# Altium PCB Ground_Station_V1.0.PcbDoc (continued)
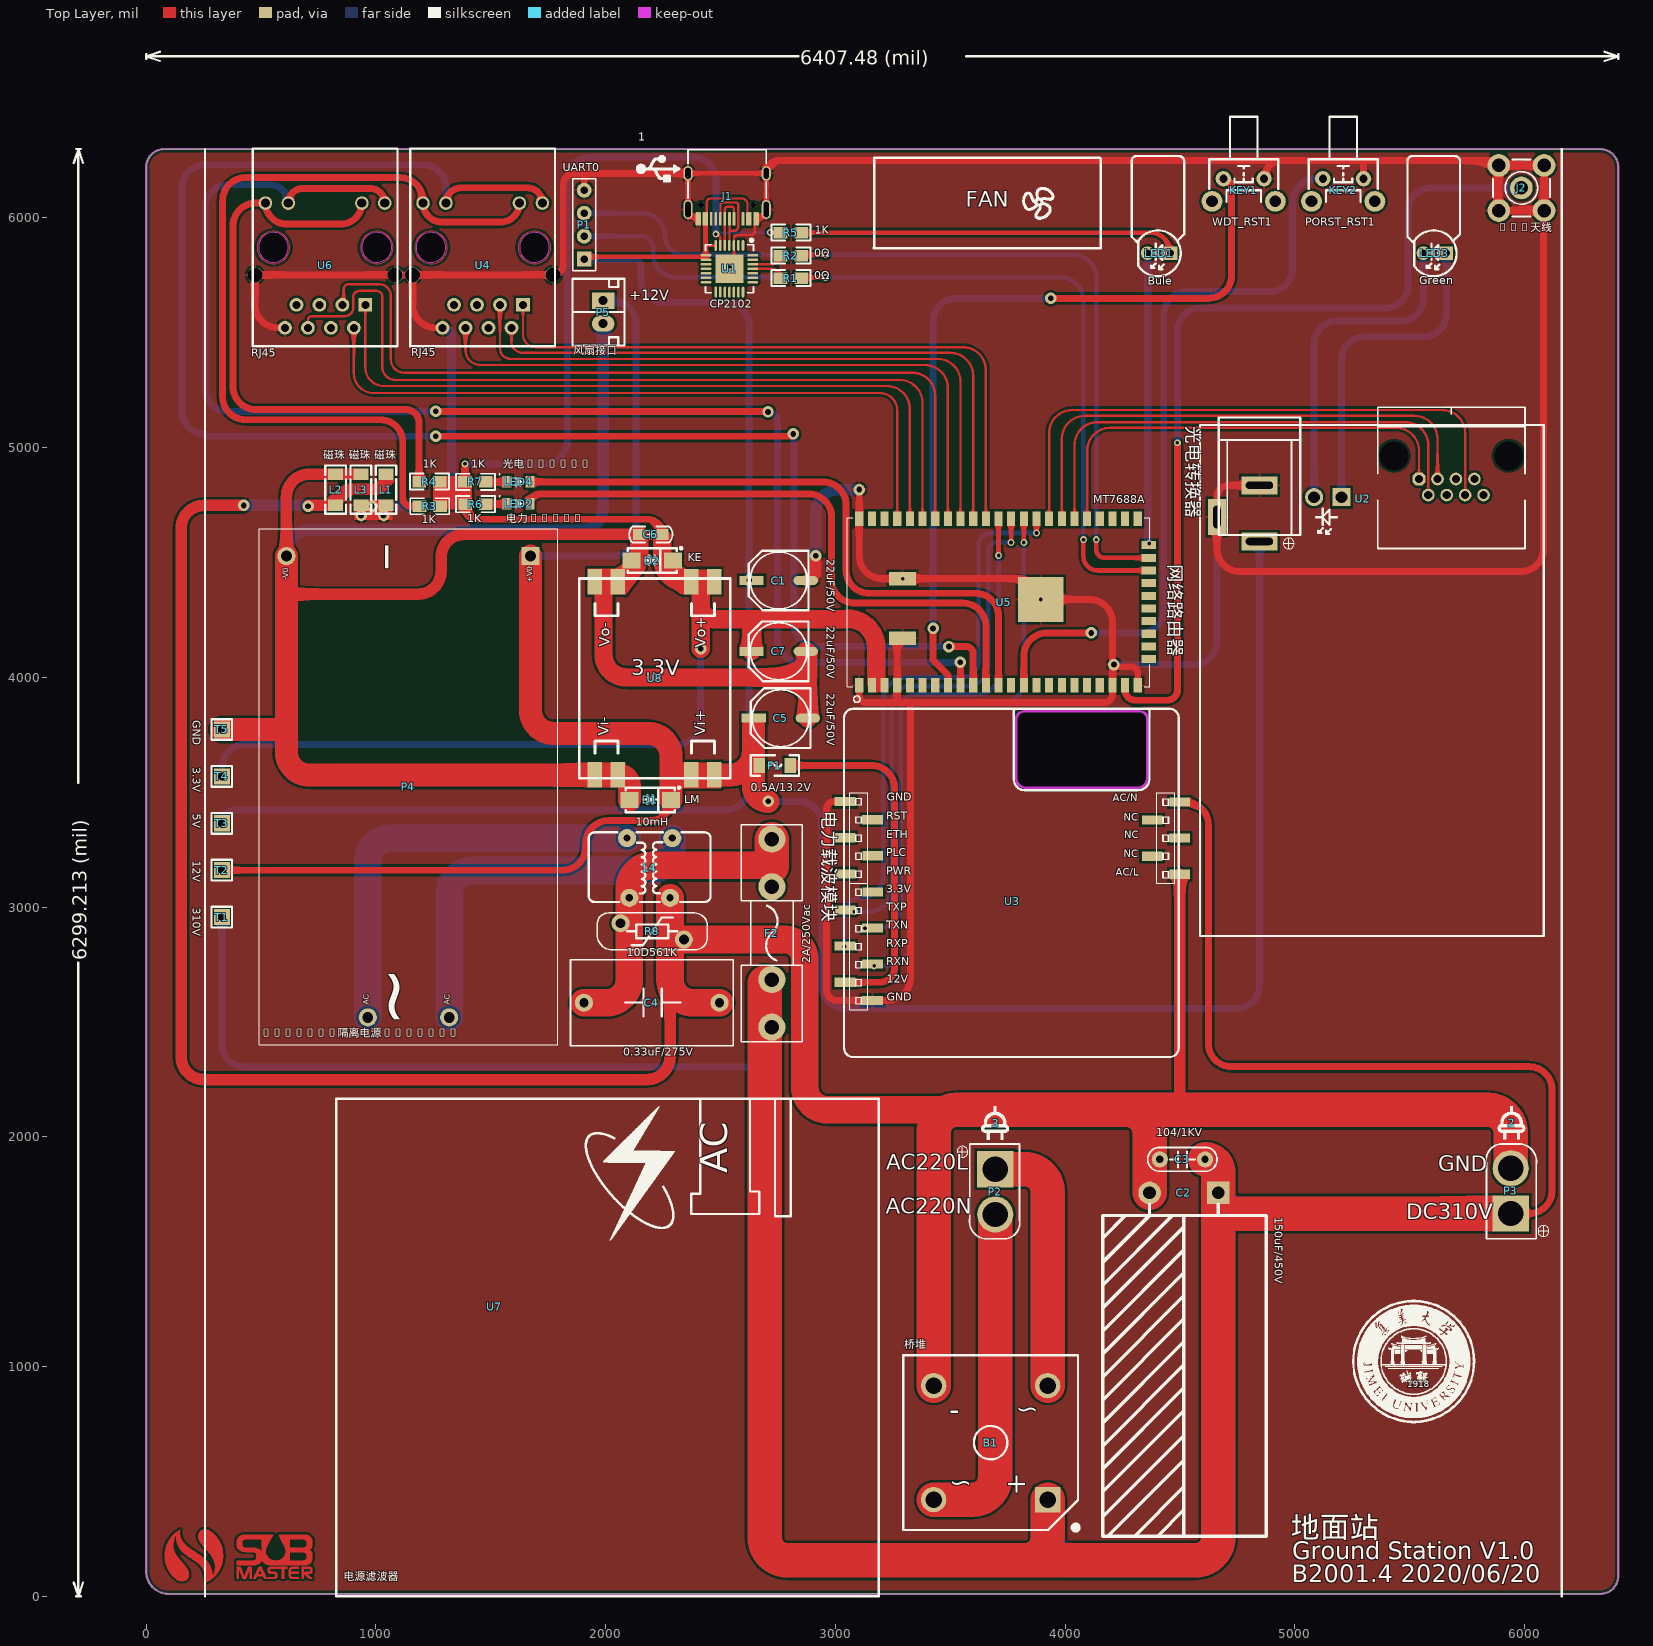
[diagram p0: Top Layer view]
## Footprints (in the part's own frame and the unit in brackets; to place one, negate y for a bottom-side part, rotate by r counter-clockwise, add the part's x,y. Pads: shape width x height; smd on the part's side, far side on the other; paste and mask are expansions set on the pad) (continued)
  Keep-Out Layer board cut-out: -20.6,484.79 -20.68,485.31 -20.71,485.83 -20.71,485.83 -20.71,742.94 -20.7,743.15 -20.69,743.37 -20.69,743.37 -14.73,763.6 0.4,778.29 20.8,783.64 20.8,783.64 519.25,783.64 519.25,783.64 538.73,778.42 553,764.16 558.22,744.68 558.22,744.68 558.22,486.18 558.19,485.63 558.1,485.08 558.1,485.08 550.82,463.27 533.99,447.61 511.71,441.93 511.71,441.93 21.71,441.93 20.83,442.01 19.97,442.24 19.97,442.24 19.97,442.24 0.16,449.41 -14.38,464.66 -20.6,484.79
  Keep-Out Layer lines w10: -15.69,485.83 -15.69,742.94 ; -15.69,487.94 ccw(c25.31,487.94) 25.31,446.94 ; -15.69,742.14 cw(c20.8,742.14) 20.8,778.63 519.25,778.63 cw(c519.25,744.68) 553.2,744.68 553.2,486.18 ; 21.71,446.94 511.71,446.94 ccw(c511.71,488.44) 553.2,488.44
  silkscreen extent -766,-726 691,790, body extent -740,-518 674,427, height 217
电源滤波器绿灯开关双保险 [mil]
  silkscreen extent -1260,-1673 906,689, body extent -1771,-2078 906,1125, height 1260

## Part data
C1 C2 C5 C7: library part Cap3, "直插极性电容"
C3 C4: library part Cap2, "无极直插电容"
C6: library part Cap1, "无极贴片电容"
D1 D2: library part Diode, "二极管"
F1 F2: library part Fuse, "保险丝"
J2: library part SMA-KE
KEY1 KEY2: library part 轻触按键, "轻触开关"
L1 L2 L3: library part L, "电感"
L4: library part 共模电感
LED1 LED2 LED3 LED4: library part LED, "发光二极管"
P1: library part "Header 4", "排针"
P2 P3: library part 电源端子
P4: library part HILINK-24V
P5: library part 接线端子-2PIN, "2PIN"
R1 R2 R3 R4 R5 R6 R7: library part Res, "电阻"
R8: library part 压敏电阻
T1 T2 T3 T4 T5: library part 测试点, "测试点"
U1: "USB转串口芯片"
U3: library part 电力载波模块6410
U5: "MT7688A模组"
U7: library part 电源滤波器绿灯开关双保险
U8: library part MP1584电源模块

## Via types
v1: diameter 30, hole 16, Top Layer to Bottom Layer, 20 vias
v2: diameter 50, hole 25, Top Layer to Bottom Layer, 20 vias

## Nets (pads, with @x,y where several pads share a name; then routed paths per layer and width w, separated by ;. In a path a pad name is that pad's centre, name@x,y a point inside that pad or via, vN(x,y) a via of type N, cw(c..) or ccw(c..) an arc to the next point about the centre after c; other vN are vias at no path point)
3.3V: C6.2 C7.1 D2.2 R3.1 R4.1 R5.2 R6.2 R7.2 T4.1 U1.6 U5.2 U5.3 U8.3 | length 8272.1
  Top Layer w10: v1(2479.57,5929) cw(c2479.57,5909.27) 2499.31,5909.27 U1.6 ; v1(2716.57,5936) 2716.57,5935.5 R5.2
  Top Layer w30: R7.2 v1(1387.91,4929) ; R6.2 1388.45,4733.46 ccw(c1433.91,4733.46) 1433.91,4688 2181.57,4688 cw(c2181.57,4622.98) 2246.59,4622.98 C6.2
  Top Layer w80: C6.2@2246.59,4607 2246.59,4514 ccw(c2346.59,4514) U8.3@2346.59,4414 ; v2(2413.57,4124) 2413.57,4312.85 ; 2413.57,4422 2413.57,4312.85 ; C7.1 2634.86,4246.28 cw(c2641.57,4246.28) 2641.57,4253 ; 3177.57,3974.05 3177.57,4130 ccw(c3052.57,4130) 3052.57,4255 cw(c3050.57,4255) 3050.57,4253 2641.57,4253 ; 2413.57,4312.85 ccw(c2473.43,4312.85) 2473.43,4253 2641.57,4253
  Bottom Layer w10: v1(2479.57,5929) cw(c2486.57,5929) 2486.57,5936 v1(2716.57,5936)
  Bottom Layer w30: T4.1 329.57,3608 cw(c429.57,3608) 429.57,3708 768.57,3708 2313.57,3708 ccw(c2313.57,3808) 2413.57,3808 v2(2413.57,4124) ; v1(1387.91,4929) 1732.57,4929 ccw(c1732.57,5029) 1832.57,5029 1832.57,6164 cw(c1932.57,6164) 1932.57,6264 2379.57,6264 cw(c2379.57,6164) 2479.57,6164 v1(2479.57,5929)
5.0V: C1.1 J1.A4 J1.A9 J1.B4 J1.B9 P1.1 T3.1 U1.7 U1.8 U1.9 | length 6406.3
  Top Layer w10: 2434.57,5880 2434.57,5879.66 U1.7 ; J1.B4 2440.15,6067.57 cw(c2456.57,6067.57) 2456.57,6084 2592.57,6084 cw(c2592.57,6058.86) 2617.72,6058.86 2617.72,6006.52 ccw(c2629.13,6006.52) J1.A4
  Top Layer w20: P1.1@1911.69,5825 ccw(c1911.69,5819.93) P1.1 cw(c1916.69,5819.93) 1916.69,5830 2444.57,5830 ; 2434.57,5825 2434.57,5879.66 ; 2434.57,5880 J1.B4@2434.57,5988.87
  Bottom Layer w30: T3.1 cw(c388.09,3364.48) 388.09,3423 2524.57,3423 ccw(c2524.57,3523) 2624.57,3523 v2(2624.57,4422) 2624.57,5531 ccw(c2524.57,5531) 2524.57,5631 2253.57,5631 cw(c2253.57,5731) 2153.57,5731 2153.57,5790 ccw(c2123.65,5790) 2123.65,5819.93 P1.1
12.0V: C5.1 D1.2 F1.1 P4.3 P5.1 T2.1 U2.13 U8.2 | length 10883.8
  Top Layer w30: T2.1 1812.57,3160.24 ccw(c1812.57,3260.24) 1912.57,3260.24 1912.57,3276 cw(c2012.57,3276) 2012.57,3376 2194.68,3376 ccw(c2194.68,3466) D1.2
  Top Layer w100: P4.3 1673.23,3856 ccw(c1773.23,3856) 1773.23,3756 2184.3,3756 cw(c2184.3,3656) 2284.3,3656 2284.3,3573 ; D1.2@2284.3,3466 2284.3,3573 ; 2285.3,3574 ccw(c2285.3,3573) 2284.3,3573 ; U8.2@2473.43,3575.16 2542.57,3575.16 ccw(c2542.57,3675.16) 2642.57,3675.16 ; 2642.57,3784 2642.57,3675.16 ; v2(2707.57,3460) cw(c2707.57,3525) 2642.57,3525 2642.57,3675.16
  Bottom Layer w30: P4.3 2032.57,4527.56 ccw(c2032.57,4627.56) 2132.57,4627.56 2132.57,5539.57 ccw(c2032.57,5539.57) 2032.57,5639.57 P5.1 ; v2(2707.57,3460) 2840.57,3460 cw(c2840.57,3360) 2940.57,3360 2940.57,2659 ccw(c3040.57,2659) 3040.57,2559 4745.63,2559 ccw(c4745.63,2659) 4845.63,2659 U2.13
AC220_L: B1.AC1 P2.1 | length 2254.3
  Top Layer w150: P2.1 3823.8,1858.61 cw(c3823.8,1758.61) 3923.8,1758.61 B1.AC1
  Bottom Layer w150: P2.1 3823.8,1858.61 cw(c3823.8,1758.61) 3923.8,1758.61 B1.AC1
AC220_N: B1.AC2 P2.2 | length 2932.9
  Top Layer w150: B1.AC2 3595.81,420.48 ccw(c3595.81,520.48) 3695.81,520.48 P2.2
  Bottom Layer w150: B1.AC2 3595.81,420.48 ccw(c3595.81,520.48) 3695.81,520.48 P2.2
CP_USB_D+: J1.A6 J1.B6 U1.4 | length 514.5
  Top Layer w10: J1.B6 2499.57,5995.11 2499.57,6056 cw(c2510.57,6056) 2510.57,6067 2566.1,6067 cw(c2566.1,6055.53) 2577.57,6055.53 2577.57,5962 cw(c2559.57,5962) 2559.57,5944 2539.68,5944 cw(c2539.68,5945) 2538.68,5945 2538.68,5995.11 J1.A6 2538.57,5879.66 U1.4 2538.68,5933
CP_USB_D-: J1.A7 J1.B7 U1.5 | length 252.1
  Top Layer w10: U1.5 2518.89,5879.77 J1.A7 2518.89,6036.68 cw(c2530.21,6036.68) 2530.21,6048 2548.57,6048 cw(c2548.57,6038) 2558.57,6038 2558.57,5995.11 J1.B7
DC310V: B1.DC+ C2.1 C3.2 F2.1 P3.1 T1.1 U3.16 | length 18266.3
  Top Layer w30: U3.16 4523.57,3457.48 cw(c4523.57,3357.48) 4623.57,3357.48 4623.57,2405 ccw(c4723.57,2405) 4723.57,2305 6019.57,2305 cw(c6019.57,2205) 6119.57,2205 6119.57,1765.71 cw(c6019.57,1765.71) 6019.57,1665.71 P3.1
  Top Layer w150: F2.1@2691.57,2671 2691.57,256 ccw(c2791.57,256) 2791.57,156 3823.8,156 ; B1.DC+ 3923.8,256 cw(c3823.8,256) 3823.8,156 ; C3.2 cw(c4608.98,1843.97) 4666.67,1843.97 C2.1 4666.67,256 cw(c4566.67,256) 4566.67,156 3823.8,156 ; 4756.65,1665.71 P3.1
  Bottom Layer w30: T1.1 329.57,2404 ccw(c429.57,2404) 429.57,2304 2623.22,2304 ccw(c2623.22,2404) 2723.22,2404 F2.1@2723.22,2476.94
  Bottom Layer w150: B1.DC+ 3923.8,257 ccw(c4023.8,257) 4023.8,157 4568.57,157 ccw(c4568.57,257) 4668.57,257 4668.57,648.09 ccw(c4666.67,648.09) 4666.67,650 C2.1 ; C3.2 cw(c4608.98,1843.97) 4666.67,1843.97 C2.1 ; P3.1 4756.65,1665.71 cw(c4756.65,1755.69) C2.1
DGND: C1.2 J1.1 J1.2 J1.3 J1.4 J1.A1 J1.A12 J1.B1 J1.B12 J2.2 J2.3 KEY1.1 KEY2.1 L1.1 L3.1 P1.4 U1.0 U1.3 U2.14 U2.15 U3.1 U3.12 U4.8 U4.13 U4.14 U5.1 U5.4 U5.21 U5.23 U5.56 U5.57 U5.58 U5.59 U6.8 U6.13 U6.14 | length 20551
  Top Layer w10: U1.0 ccw(c2538.68,5797.88) 2558.36,5797.88 U1.3 2558.36,5910.79 cw(c2572.57,5910.79) 2572.57,5925 2633.86,5925 ccw(c2633.86,5939.95) 2648.81,5939.95 J1.B12
  Top Layer w20: J1.A12@2399.4,5995.11 cw(c2399.4,6036.06) J1.4 J1.1 J1.2 J1.3 2699.01,6033.5 cw(c2660.62,6033.5) J1.A1
  Top Layer w30: U6.8 573.61,5521.31 cw(c573.61,5621.31) 473.61,5621.31 U6.14 U6.13 U4.14 ; U4.8 1259.63,5521.31 cw(c1259.63,5621.31) 1159.63,5621.31 U4.14 ; P1.4 1906.62,6189.58 cw(c1910.57,6189.58) 1910.57,6193.54 ; J1.1 1910.57,6193.54 ; J1.2 cw(c2755.47,6193.54) 2755.47,6250 4945.67,6250 ; U3.1 2993.46,3458.74 ccw(c2993.46,3426.86) 2961.57,3426.86 2961.57,2638.55 ccw(c3006.61,2638.55) 3006.61,2593.52 U3.12 3226.57,2593.52 ccw(c3226.57,2693.52) 3326.57,2693.52 3326.57,3885 ccw(c3321.57,3885) 3321.57,3890 ; U5.1 3103.63,3919.94 ccw(c3133.57,3919.94) 3133.57,3890 3273.57,3890 ; v2(3103.63,4817.06) U5.56 3103.63,4529.39 ccw(c3203.63,4529.39) 3203.63,4429.39 v1(3292.61,4429.39) 3803.06,4429.39 cw(c3803.06,4338.83) v1(3893.63,4338.83) 4105.99,4338.83 cw(c4105.99,4238.83) 4205.99,4238.83 v2@4205.99,4046 ; U5.58 3268.98,4169.55 U5.4 3268.98,3894.59 ccw(c3273.57,3894.59) 3273.57,3890 ; U5.23 4316.23,4016.21 ccw(c4286.44,4016.21) 4286.44,4046 v2@4205.99,4046 ; U2.14 4711.93,4835.59 ccw(c4711.93,4784.25) 4660.59,4784.25 U2.15 4660.59,4560 ccw(c4760.59,4560) 4760.59,4460 5982.57,4460 ccw(c5982.57,4560) 6082.57,4560 6082.57,6029.59 cw(c6084.52,6029.59) J2.3@6084.52,6031.54 ; KEY1.1 cw(c4945.67,6170.12) 4945.67,6250 ; KEY2.1 5298.86,6243.74 cw(c5305.12,6243.74) 5305.12,6250 ; J2.2@5883.5,6227 5883.5,6035.7 ccw(c5887.67,6035.7) 5887.67,6031.54 J2.3@6084.52,6031.54 ; U4.14 U4.13 ccw(c1769.87,5797.02) 1815.57,5797.02 1815.57,6143.37 cw(c1865.74,6143.37) 1865.74,6193.54 1910.57,6193.54 ; 3273.57,3890 3321.57,3890 ; 3321.57,3890 4171.57,3890 ccw(c4171.57,3924.42) 4205.99,3924.42 U5.21 v2@4205.99,4046 ; 4945.67,6250 5305.12,6250 ; 5305.12,6250 5866.06,6250 cw(c5866.06,6228.39) 5887.67,6228.39 6084.52,6228.39 J2.3@6084.52,6031.54
  Top Layer w50: C1.2 ccw(c2871.08,4464.76) 2914.57,4464.76 v2(2914.57,4529)
  Bottom Layer w30: v2(4212.6,4055.12) 4560.59,4055.12 ccw(c4560.59,4155.12) 4660.59,4155.12 U2.15
  Bottom Layer w40: v2(984.25,4744.09) 1228.74,4744.09 ccw(c1228.74,4844.09) 1328.74,4844.09 1328.74,5482.51 ccw(c1289.94,5482.51) U4.8
  Bottom Layer w50: v2(2914.57,4529) 2914.57,4717.06 cw(c3014.57,4717.06) 3014.57,4817.06 v2(3103.63,4817.06)
  other v1: 2539.57,5787
  other v2: 935.04,4704.72 1033.46,4704.72
FX_LED+: LED3.1 U2.16 | length 1432.9
  Bottom Layer w30: U2.16 5203.31,5382.28 cw(c5303.31,5382.28) 5303.31,5482.28 5559.61,5482.28 ccw(c5559.61,5582.28) 5659.61,5582.28 LED3.1
FX_LED-: LED3.2 U2.17 | length 1452.9
  Bottom Layer w30: U2.17 5083.31,5451.18 cw(c5183.31,5451.18) 5183.31,5551.18 5459.61,5551.18 ccw(c5459.61,5651.18) 5559.61,5651.18 LED3.2
GND: B1.DC- C2.2 C3.1 C4.1 L1.2 L2.2 L4.4 P3.2 R8.1 U3.13 | length 18024.1
  Top Layer w50: v2(424.57,4748) 251.57,4748 ccw(c251.57,4648) 151.57,4648 151.57,2349 ccw(c251.57,2349) 251.57,2249 2180.16,2249 ccw(c2180.16,2349) 2280.16,2349 2280.16,2683.28 ; v2(704.57,4744) cw(c709.98,4744) 709.98,4749.41 L2.2 cw(c893.33,4749.41) 893.33,4818 998.57,4818 ccw(c998.57,4863.11) 1043.69,4863.11 L1.2 ; U3.13 4498.57,2127 ccw(c4508.57,2127) 4508.57,2117
  Top Layer w120: L4.4 2280.16,2683.28 ccw(c2380.16,2683.28) 2380.16,2583.28 C4.1 ; R8.1 2779.01,2858.57 cw(c2779.01,2771) 2866.57,2771 2866.57,2217 ccw(c2966.57,2217) 2966.57,2117 3527.73,2117
  Top Layer w150: B1.DC- 3427.73,2017 cw(c3527.73,2017) 3527.73,2117 4267.46,2117 ; C2.2 4367.46,2017 ccw(c4267.46,2017) 4267.46,2117 ; P3.2 5939.34,2017 ccw(c5839.34,2017) 5839.34,2117 4508.57,2117 4267.46,2117
  Bottom Layer w50: v2(424.57,4748) 700.57,4748 cw(c700.57,4744) v2(704.57,4744)
  Bottom Layer w150: B1.DC- 3427.73,2017 cw(c3527.73,2017) 3527.73,2117 4267.46,2117 ; C2.2 4367.46,2017 ccw(c4267.46,2017) 4267.46,2117 ; P3.2 5939.34,2017 ccw(c5839.34,2017) 5839.34,2117 4267.46,2117
LINK1: LED4.2 U5.12 | length 2795.9
  Top Layer w30: LED4.2 2946.57,4850.36 cw(c2946.57,4750.36) 3046.57,4750.36 3046.57,4466 ccw(c3146.57,4466) 3146.57,4366 3609.93,4366 cw(c3609.93,4266) 3709.93,4266 U5.12
LINK2: LED2.2 U5.11 | length 2713
  Top Layer w30: LED2.2 cw(c1713.94,4754.89) 1713.94,4798 2883.57,4798 cw(c2883.57,4698) 2983.57,4698 2983.57,4423 ccw(c3083.57,4423) 3083.57,4323 3554.81,4323 cw(c3554.81,4223) 3654.81,4223 U5.11
LINK3: U4.9 U4.11 U5.10 | length 7344.8
  Top Layer w30: v2(1259.84,5049.21) 2806.79,5049.21 v2(2816.57,5059) ; U4.11 cw(c1371.53,6064.22) 1371.53,6131 1657.81,6131 cw(c1657.81,6064.22) U4.9 ; v2(3494.09,4133.86) 3570.17,4133.86 cw(c3570.17,4104.33) 3599.69,4104.33 U5.10
  Bottom Layer w30: v2(1259.84,5049.21) 265.36,5049.21 255.57,5059 cw(c255.57,5159) 155.57,5159 155.57,6131 cw(c255.57,6131) 255.57,6231 1204.75,6231 cw(c1204.75,6131) 1304.75,6131 U4.11 ; v2(2816.57,5059) cw(c2816.57,5056) 2819.57,5056 2819.57,4233.86 ccw(c2919.57,4233.86) 2919.57,4133.86 v2(3494.09,4133.86)
LINK4: U5.9 U6.9 U6.11 | length 6218.8
  Top Layer w30: U6.11 cw(c682.5,6064.22) 682.5,6128 974.79,6128 cw(c974.79,6064.22) U6.9 ; v2(1259.84,5157.48) 2704.09,5157.48 cw(c2704.09,5155) v2(2706.57,5155) ; U5.9 v2@3544.57,4064.96
  Bottom Layer w30: U6.11 ccw(c538.94,6064.22) 538.94,6144 356.57,6144 ccw(c356.57,6044) 256.57,6044 256.57,5257.48 ccw(c356.57,5257.48) 356.57,5157.48 v2(1259.84,5157.48) ; v2(2706.57,5155) cw(c2706.57,5114) 2747.57,5114 2747.57,4164.96 ccw(c2847.57,4164.96) 2847.57,4064.96 v2(3543.31,4064.96)
NetC4_2: C4.2 F2.2 L4.1 R8.2 | length 1452.5
  Top Layer w120: C4.2 2002.99,2583.28 ccw(c2002.99,2683.28) 2102.99,2683.28 L4.1 2102.99,3081 cw(c2202.99,3081) 2202.99,3181 2718.22,3181 cw(c2718.22,3176) 2723.22,3176
  Top Layer w150: 2723.22,3176 F2.2@2723.22,3295.83
NetL4_2: L4.2 P4.1 | length 1865.9
  Bottom Layer w120: P4.1 964.57,3199.92 cw(c1064.57,3199.92) 1064.57,3299.92 L4.2
NetL4_3: L4.3 P4.2 | length 1665.5
  Bottom Layer w120: P4.2 1318.9,3059 cw(c1418.9,3059) 1418.9,3159 2190,3159 ccw(c2190,3259) 2290,3259 L4.3
NetLED1_1: LED1.1 R5.1 | length 1658.4
  Top Layer w20: R5.1 4369.78,5935.5 cw(c4369.78,5846.46) LED1.1
NetLED2_1: LED2.1 R6.1 | length 93.2
  Top Layer w30: R6.1 cw(c1479.9,4753.44) 1479.9,4754.89 LED2.1
NetLED4_1: LED4.1 R7.1 | length 93.4
  Top Layer w30: R7.1 1477.91,4850.36 LED4.1
NetR1_1: R1.1 U1.25 | length 144.4
  Top Layer w10: U1.25 2720.8,5778.19 cw(c2720.8,5737.64) R1.1
NetR2_1: R2.1 U1.26 | length 142.8
  Top Layer w10: U1.26 2723.59,5797.88 ccw(c2723.59,5835.64) R2.1
NetR3_2: R3.2 U4.10 U4.12 | length 3598.9
  Top Layer w30: R3.2 1153,4744.58 cw(c1153,4781) 1116.57,4781 1116.57,5024 ccw(c1019.57,5024) 1019.57,5121 432.57,5121 cw(c432.57,5221) 332.57,5221 332.57,6075 cw(c432.57,6075) 432.57,6175 1104.91,6175 cw(c1104.91,6075) 1204.91,6075 U4.12 ccw(c1288.13,6064.22) 1288.13,5981 1541.53,5981 ccw(c1541.53,6064.22) U4.10
NetR4_2: R4.2 U6.10 U6.12 | length 2577
  Top Layer w30: U6.10 cw(c847.5,6064.22) 847.5,5973 610.1,5973 cw(c610.1,6064.22) U6.12 477.57,6064.22 ccw(c477.57,5964.22) 377.57,5964.22 377.57,5265.87 ccw(c477.57,5265.87) 477.57,5165.87 1128.97,5165.87 cw(c1128.97,5106.73) 1188.11,5106.73 R4.2
PGND: C5.2 C6.1 C7.2 D1.1 D2.1 L2.1 L3.2 P4.4 P5.2 T5.1 U8.1 U8.4 | length 9168.1
  Top Layer w50: 610.24,4362 1183.57,4362 ccw(c1183.57,4462) 1283.57,4462 1283.57,4523 cw(c1382.15,4523) 1382.15,4621.58 C6.1 ; P4.4 610.24,4784.41 cw(c710.24,4784.41) 710.24,4884.41 L2.1 L3.2
  Top Layer w80: 1990.57,4425 1990.57,4099 ccw(c2090.57,4099) 2090.57,3999 2879.94,3999 ; U8.4@2046.59,4434 ccw(c2046.59,4534) 2146.59,4534 C6.1@2146.59,4616 ; C7.2 cw(c2871.08,4104.33) 2879.94,4104.33 2879.94,3999 ; C5.2 2879.94,3999
  Top Layer w100: T5.1 606.27,3772.96 cw(c606.27,3769) 610.24,3769 ; P4.4 610.24,4362 610.24,3769 ; 1985.57,3574 710.24,3574 cw(c710.24,3674) 610.24,3674 610.24,3769 ; U8.1@2053.43,3575.16 cw(c2053.43,3525.39) 2103.2,3525.39 D1.1@2103.2,3466
  Bottom Layer w50: P4.4 610.24,4540 cw(c710.24,4540) 710.24,4640 1889.17,4640 ccw(c1889.17,4740) 1989.17,4740 P5.2
PLC_12V: F1.2 U3.11 | length 1542.8
  Top Layer w30: F1.2 3157.57,3616 cw(c3157.57,3516) 3257.57,3516 3257.57,2735.61 cw(c3194.74,2735.61) 3194.74,2672.78 U3.11
PORST_RST: KEY2.2 U5.14 | length 3292.2
  Top Layer w30: U5.14 3820.17,4092.91 cw(c3920.17,4092.91) 3920.17,4192.91 v2(4114.17,4192.91)
  Bottom Layer w30: v2(4114.17,4192.91) 4329.13,4192.91 ccw(c4329.13,4292.91) 4429.13,4292.91 4429.13,5579.13 cw(c4529.13,5579.13) 4529.13,5679.13 4890.16,5679.13 ccw(c4890.16,5779.13) 4990.16,5779.13 4990.16,6070.12 cw(c5090.16,6070.12) 5090.16,6170.12 KEY2.2
RXIN1: U2.6 U5.41 | length 2569.4
  Top Layer w10: U5.41 3930.4,5063.39 cw(c4030.4,5063.39) 4030.4,5163.39 5641.14,5163.39 cw(c5641.14,5063.39) 5741.14,5063.39 U2.6
RXIN2: U3.10 U5.43 | length 2483.9
  Top Layer w20: v1(3820.17,4587) U5.43
  Bottom Layer w20: v1(3168.57,2744) 3224.57,2744 ccw(c3224.57,2844) 3324.57,2844 3324.57,3822.8 cw(c3387.77,3822.8) 3387.77,3886 3720.17,3886 ccw(c3720.17,3986) 3820.17,3986 v1(3820.17,4587)
RXIN3: U4.6 U5.49 | length 2860.7
  Top Layer w10: U4.6 1389.94,5424.47 ccw(c1455.16,5424.47) 1455.16,5359.25 3389.46,5359.25 cw(c3389.46,5259.25) 3489.46,5259.25 U5.49
RXIN4: U5.51 U6.6 | length 3715.9
  Top Layer w10: U6.6 703.92,5554.45 cw(c721.32,5554.45) 721.32,5571.85 864.17,5571.85 ccw(c864.17,5609.25) 901.57,5609.25 901.57,5655.51 cw(c928.15,5655.51) 905.71,5669.75 cw(c928.15,5655.51) 928.15,5682.09 1002.17,5682.09 cw(c1002.17,5656.69) 1027.56,5656.69 1027.56,5350.88 ccw(c1084.15,5350.88) 1084.15,5294.29 3279.22,5294.29 cw(c3279.22,5194.29) 3379.22,5194.29 U5.51
RXIP1: U2.3 U5.40 | length 2272.6
  Top Layer w10: U5.40 3985.52,5037.8 cw(c4085.52,5037.8) 4085.52,5137.8 5520.67,5137.8 cw(c5520.67,5037.8) 5620.67,5037.8 U2.3
RXIP2: U3.9 U5.42 | length 2527.5
  Top Layer w20: v1@3875.28,4628 U5.42
  Bottom Layer w20: v1(3039.57,2828) 3039.57,2970 cw(c3107.57,2970) 3107.57,3038 ccw(c3107.57,3138) 3207.57,3138 3207.57,3899 cw(c3307.57,3899) 3307.57,3999 3550.57,3999 ccw(c3550.57,4072) 3623.57,4072 3623.57,4573.55 cw(c3678.02,4573.55) 3678.02,4628 v1(3875.57,4628)
RXIP3: U4.3 U5.48 | length 2874.3
  Top Layer w10: U4.3 1539.94,5431.17 ccw(c1585.28,5431.17) 1585.28,5385.83 3444.57,5385.83 cw(c3444.57,5285.83) 3544.57,5285.83 U5.48
RXIP4: U5.50 U6.3 | length 3590.7
  Top Layer w10: U6.3 ccw(c853.92,5626.64) 859.25,5626.64 859.25,5689.96 cw(c879.92,5689.96) 879.92,5710.63 1014.76,5710.63 cw(c1014.76,5660.43) 1064.96,5660.43 1064.96,5383.69 ccw(c1122.87,5383.69) 1122.87,5325.79 3334.34,5325.79 cw(c3334.34,5225.79) 3434.34,5225.79 U5.50
TXON1: U2.2 U5.39 | length 2192.2
  Top Layer w10: U5.39 4040.64,5010.24 cw(c4140.64,5010.24) 4140.64,5110.24 5480.51,5110.24 cw(c5480.51,5010.24) 5580.51,5010.24 U2.2
TXON2: U3.8 U5.45 | length 2255
  Top Layer w20: v1@3709.93,4530 U5.45
  Bottom Layer w20: v1(3128.57,2907) 3184.57,2907 ccw(c3184.57,3007) 3284.57,3007 3284.57,3860.55 cw(c3350.02,3860.55) 3350.02,3926 3621.57,3926 ccw(c3621.57,4015) 3710.57,4015 v1(3710.57,4530)
TXON3: U4.2 U5.47 | length 2777.9
  Top Layer w10: U4.2 1589.94,5461.23 ccw(c1638.77,5461.23) 1638.77,5412.4 3499.69,5412.4 cw(c3499.69,5312.4) 3599.69,5312.4 U5.47
TXON4: U5.53 U6.2 | length 3128.1
  Top Layer w10: U6.2 903.92,5322.88 ccw(c989.6,5322.88) 989.6,5237.2 3193.9,5237.2 cw(c3193.9,5162.12) 3268.98,5162.12 U5.53
TXOP1: U2.1 U5.38 | length 1977.7
  Top Layer w10: U5.38 4095.76,4985.63 cw(c4195.76,4985.63) 4195.76,5085.63 5440.35,5085.63 cw(c5440.35,4985.63) 5540.35,4985.63 U2.1
TXOP2: U3.7 U5.44 | length 2261.2
  Top Layer w20: v1@3764.57,4585 v1(3764.57,4587) 3764.57,4689.24 U5.44
  Bottom Layer w20: v1(3082.57,2980) 3144.57,2980 ccw(c3144.57,3080) 3244.57,3080 3244.57,3885.25 cw(c3321.32,3885.25) 3321.32,3962 3573.57,3962 ccw(c3573.57,4053) 3664.57,4053 3664.57,4546.09 cw(c3705.49,4546.09) 3705.49,4587 v1(3764.57,4587)
TXOP3: U4.1 U5.46 | length 2880.5
  Top Layer w10: U4.1 1639.94,5491.86 ccw(c1694.8,5491.86) 1694.8,5437.01 3554.81,5437.01 cw(c3554.81,5337.01) 3654.81,5337.01 U5.46
TXOP4: U5.52 U6.1 | length 3224.6
  Top Layer w10: U6.1 953.92,5348.83 ccw(c1035.04,5348.83) 1035.04,5267.72 3224.41,5267.72 cw(c3224.41,5168.02) 3324.1,5168.02 U5.52
UART_RX0: P1.3 R2.2 U5.32 | length 3929.3
  Top Layer w20: R2.2 cw(c2854.72,5835.64) 2854.72,5839 v1(2957.57,5839) ; v1(4135.57,4599) 4135.57,4555.03 ccw(c4170.66,4555.03) 4170.66,4519.94 U5.32
  Bottom Layer w20: P1.3 2158.57,6019.93 cw(c2158.57,5919.93) 2258.57,5919.93 ccw(c2339.5,5919.93) 2339.5,5839 v1(2957.57,5839) 4035.57,5839 cw(c4035.57,5739) 4135.57,5739 v1(4135.57,4599)
UART_TX0: P1.2 R1.2 U5.31 | length 3884.9
  Top Layer w20: R1.2 cw(c2853.72,5737.64) 2853.72,5740 v1(2957.57,5740) ; v1(4079.57,4599) 4079.57,4526.55 ccw(c4141.29,4526.55) 4141.29,4464.83 U5.31
  Bottom Layer w20: P1.2 2154.65,5919.93 cw(c2154.65,5868) 2206.57,5868 2206.57,5841 ccw(c2306.57,5841) 2306.57,5741 3979.57,5741 cw(c3979.57,5641) 4079.57,5641 v1(4079.57,4599)
WDT_RST: KEY1.2 U5.8 | length 3455.9
  Top Layer w30: v2(3425.2,4212.6) 3425.2,4074.8 3489.46,4010.54 U5.8 ; v2(3937.01,5649.61) 4624.41,5649.61 ccw(c4624.41,5749.61) 4724.41,5749.61 4724.41,6134.33 ccw(c4688.62,6134.33) KEY1.2
  Bottom Layer w30: v2(3425.2,4212.6) 3425.2,5549.61 cw(c3525.2,5549.61) 3525.2,5649.61 v2@3927.17,5649.61
WIFI_ANT: J2.1 U5.22 | length 3850.7
  Top Layer w30: U5.22 4261.11,3943.46 ccw(c4304.57,3943.46) 4304.57,3900 4443.69,3900 ccw(c4443.69,3945.89) 4489.57,3945.89 v1@4489.57,5018
  Bottom Layer w30: v1(4488.57,5021) 4488.57,5507 cw(c4588.57,5507) 4588.57,5607 5392.13,5607 ccw(c5392.13,5707) 5492.13,5707 5492.13,6029.96 cw(c5592.13,6029.96) 5592.13,6129.96 J2.1
WIFI_LED: LED1.2 U5.33 | length 2432.8
  Bottom Layer w20: v1(4365.57,4582) 4365.57,5746.46
  Bottom Layer w30: LED1.2 4358.82,4588.76 ccw(c4365.57,4588.76) v1(4365.57,4582)
pads on no net: J1.0 J1.A5 J1.A8 J1.B5 J1.B8 KEY1.0 KEY2.0 U1.1 U1.2 U1.10 U1.11 U1.12 U1.13 U1.14 U1.15 U1.16 U1.17 U1.18 U1.19 U1.20 U1.21 U1.22 U1.23 U1.24 U1.27 U1.28 U2.4 U2.5 U2.7 U2.8 U2.9 U2.10 U3.0 U3.2 U3.3 U3.4 U3.5 U3.6 U3.14 U3.15 U4.4 U4.5 U4.7 U4.MH3 U5.5 U5.6 U5.7 U5.13 U5.15 U5.16 U5.17 U5.18 U5.19 U5.20 U5.24 U5.25 U5.26 U5.27 U5.28 U5.29 U5.30 U5.34 U5.35 U5.36 U5.37 U5.54 U5.55 U6.4 U6.5 U6.7 U6.MH3

## Polygon pours and split planes (outlines as drawn)
DGND on Bottom Layer "Top Layer-No Net" (solid, remove dead copper, pour order 6): -204,5478 -204,6520 cw(c-104,6520) -104,6620 147,6620 6628,6620 cw(c6628,6520) 6728,6520 6728,4173 6728,-161 cw(c6628,-161) 6628,-261 5556,-261 -179,-261 cw(c-179,-161) -279,-161 -279,326
DGND on Top Layer "Top Layer-No Net" (solid, remove dead copper, pour order 8): -251,5002 -251,6576 cw(c-151,6576) -151,6676 450,6676 6571,6676 cw(c6571,6576) 6671,6576 6671,4216 6671,-89 cw(c6571,-89) 6571,-189 5770,-189 -137,-189 cw(c-137,-89) -237,-89 -237,297

## Keep-outs
Keep-Out Layer:
  the board outline again, w10

## Other copper
Top Layer:
  region net 3.3V: 1417.58,4877 1248.57,4877 1248.57,4731 1417.58,4731
  region net 12.0V: 2502.57,3629 2304.58,3629 2304.58,3516 2502.57,3516
  region net 3.3V: 2502.58,4470 2343.57,4470 2343.57,4361 2502.58,4361
  region net PGND: 2083.58,3629 1920.57,3629 1920.57,3521 2083.58,3521
  region net PGND: 2075.58,4473 1921.57,4473 1921.57,4360 2075.58,4360
  region net DGND: 1072.83,4773.62 905.51,4773.62 905.51,4685.04 1072.83,4685.04

## Silkscreen, mask and mechanical layers (free items; w line width, h text height)
Top Overlay:
  lines w10: -315.28,60 -295.28,0 ; -315.28,6239.21 -295.28,6299.21 ; -305.28,0 -285.28,0 ; -305.28,6299.21 -285.28,6299.21 ; -295.28,2758.73 -295.28,0 ; -295.28,3540.48 -295.28,6299.21 ; -275.28,60 -295.28,0 ; -275.28,6239.21 -295.28,6299.21 ; 0,6692.76 0,6712.76 ; 60,6682.76 0,6702.76 ; 60,6722.76 0,6702.76 ; 255.91,0 255.91,6299.21 ; 2837.85,6702.76 0,6702.76 ; 3569.63,6702.76 6407.48,6702.76 ; 6161.42,0 6161.42,6299.21 ; 6347.48,6682.76 6407.48,6702.76 ; 6347.48,6722.76 6407.48,6702.76 ; 6407.48,6692.76 6407.48,6712.76 ; 3166,5868 4153,5868 4155,5866 4155,6257 4150,6262 3169,6262 3169,5871 3166,5868
  text "6407.48 (mil)" at 2847.85,6666.77 h60
  text "FAN" at 3568,6025 h118.11
  text "+12V" at 2102,5625 h78.74
  text "光电转换器" at 4510,5095 h100 r270
  text "网络路由器" at 4431,4493 h100 r270
  text "电力载波模块" at 2924.33,3415.83 h100 r270
  text "6299.213 (mil)" at -259.29,2768.73 h60 r90
  text "AC220L" at 3221,1832 h118.11
  text "GND" at 5624,1826 h118.11
  text "AC220N" at 3220,1641 h118.11
  text "DC310V" at 5484,1618 h118.11
  text "地面站" at 4982.98,224.27 h160
  text "Ground Station V1.0" at 4987.98,135.27 h130
  text "B2001.4 2020/06/20" at 4986.98,35.27 h130

## Text inside footprints (layer, text, board x,y; h text height)
B1: Top Overlay "~" at 3785.76,878.51 h150 r180; Top Overlay "~" at 3495.76,558.51 h150 r180; Top Overlay "-" at 3495.76,868.51 h157.48 r180; Top Overlay "+" at 3855.76,538.51 h150 r90
P4: Top Overlay "-V0" at 625.98,4421.91 h40 r90; Top Overlay "+V0" at 1688.98,4412.4 h40 r90; Top Overlay "AC" at 1329.72,2573.82 h40 r90; Top Overlay "AC" at 978.35,2573.82 h40 r90; Top Overlay "~" at 1253.94,2477.36 h393.7 r90; Top Overlay "-" at 1234.47,4455.71 h472.44 r90
U3: Top Overlay "NC" at 4256.28,3287.79 h55; Top Overlay "NC" at 4255.28,3364.79 h55; Top Overlay "AC/L" at 4219.28,3125.79 h55; Top Overlay "AC/N" at 4208.28,3448.79 h55; Top Overlay "GND" at 3224.28,2579.79 h60; Top Overlay "12V" at 3224.23,2658.23 h60; Top Overlay "RXN" at 3220.29,2733.3 h60; Top Overlay "RXP" at 3220.29,2812.3 h60; Top Overlay "TXN" at 3220.35,2891.3 h60; Top Overlay "TXP" at 3220.35,2970.3 h60; Top Overlay "3.3V" at 3220.29,3049.85 h60; Top Overlay "PWR" at 3220.29,3128.3 h60; Top Overlay "PLC" at 3220.29,3207.85 h60; Top Overlay "ETH" at 3220.29,3286.3 h60; Top Overlay "RST" at 3220.29,3365.85 h60; Top Overlay "GND" at 3224.28,3448.79 h60; Top Overlay "NC" at 4255.28,3205.79 h55
U7: Top Overlay "AC" at 2568.9,1840.55 h200 r90
U8: Top Overlay "Vi-" at 2028.27,3744.57 h78.74 r90; Top Overlay "Vi+" at 2448.27,3744.57 h78.74 r90; Top Overlay "Vo-" at 2032.27,4133.57 h78.74 r90; Top Overlay "Vo+" at 2451.27,4128.65 h78.74 r90
?: Top Overlay "1918" at 5489.1,898.18 h50